# Altium PCB SPEC-A7.PcbDoc (part 5 of 10) (continued)
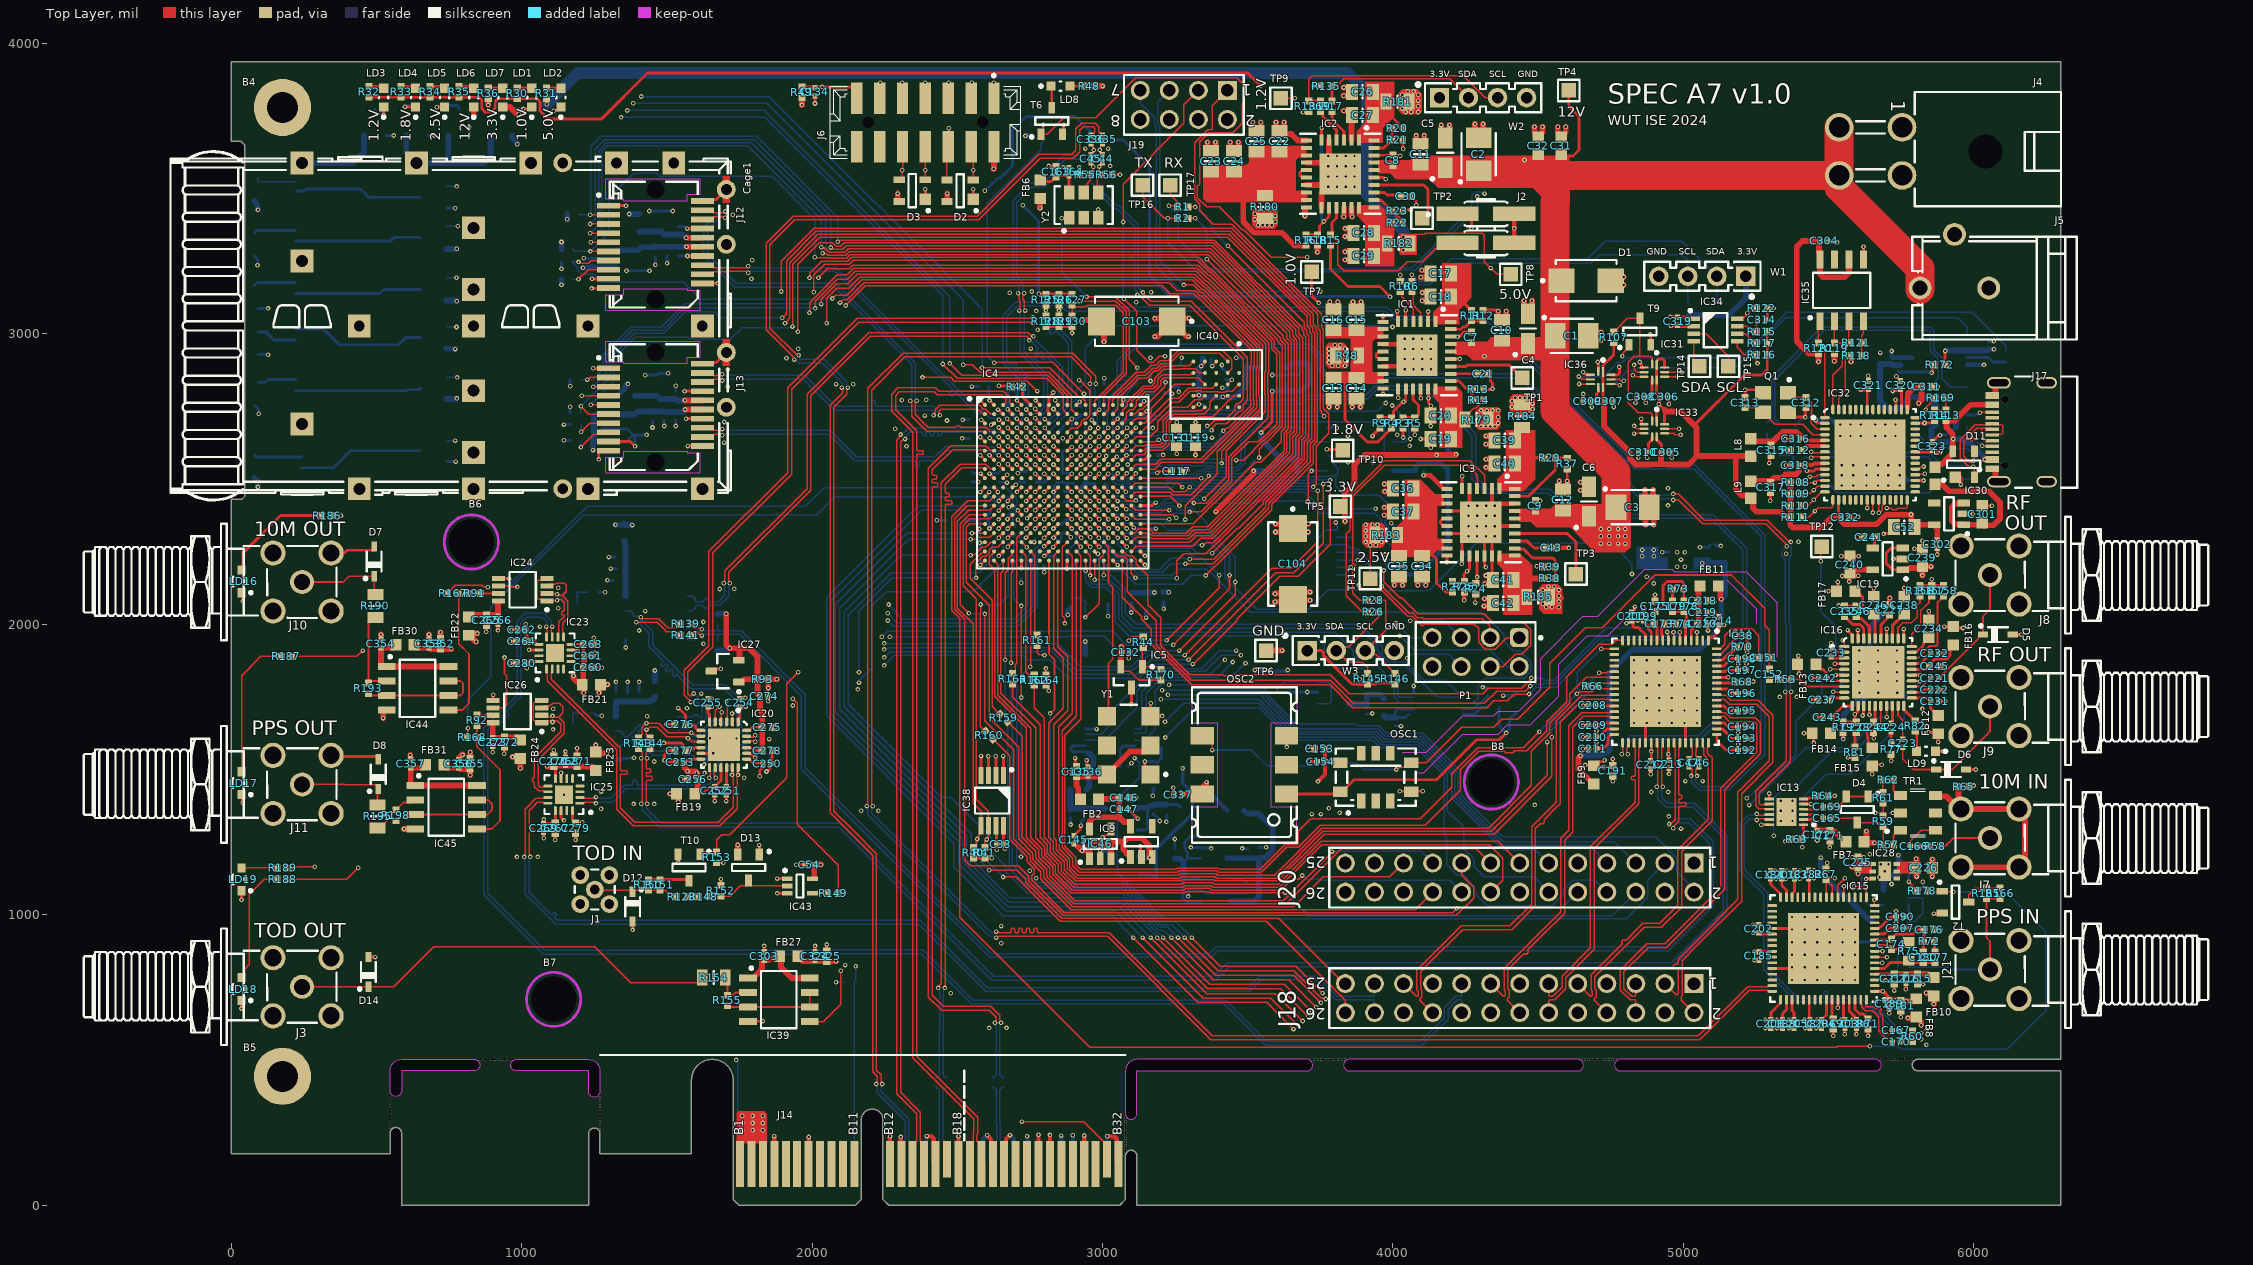
[diagram p0: Top Layer view]
## Nets (pads, with @x,y where several pads share a name; then routed paths per layer and width w, separated by ;. In a path a pad name is that pad's centre, name@x,y a point inside that pad or via, vN(x,y) a via of type N, cw(c..) or ccw(c..) an arc to the next point about the centre after c; other vN are vias at no path point) (continued)
 v1(5748.26,647.12) C181.1@5748.26,669.4 ; IC16.31@5758.58,1951.14 v1(5758.58,1983.58) ; C207.1@5759.41,953.82 v1(5780.63,953.82) ; C190.1@5759.41,993.82 5759.98,994.39 5775.02,994.39 v1(5775.59,994.96) ; C238.1@5760,2094.53 v1(5760,2125) ; v1(5765.63,743.82) C216.1@5765.63,765.04 ; v1(5775.59,1114.17) 5776.69,1113.07 5776.69,1111.1 5804.33,1083.46 R178.1@5804.33,1082.68 ; IC16.25@5786.14,1825.16 v1(5814.84,1825.16) ; v1(5795.28,2259.84) 5820.81,2259.84 C239.1@5822.89,2257.76 v1(5822.89,2288.23) ; IC32.41@5798.08,2691.97 5828.99,2691.97 v1(5830,2692.98) 5850.76,2692.98 5852.02,2694.24 5857.4,2694.24 R114.1@5863.82,2700.65 ; C215.1@5805.63,761.1 5806.19,760.54 5824.5,760.54 v1(5825.06,759.98) ; R156.2@5815,2133.5 R157.2@5855,2133.5 ; C234.1@5845,2014.53 v1(5845,2045) ; C311.1@5854.78,2818.54 5855.02,2818.3 5875.39,2818.3 v1(5875.64,2818.05) ; v1(5855,2155) R157.2@5855,2133.5 ; C323.1@5857.06,2631.26 5857.97,2632.17 5860.92,2632.17 5878.26,2649.51 5882.07,2649.51 v1(5883.17,2650.61) ; v1(5862.2,1003.94) 5863.19,1004.92 5890.75,1004.92 T2.2@5891.73,1005.91 ; C176.1@5863.35,948.82 v1(5885.63,948.82) ; LD9.1@5867.43,1562.64 v1(5894.52,1562.64) ; v1(5874.02,2240.16) C302.1@5874.02,2261.81 ; C231.1@5878.78,1735 5878.82,1735.04 v1@5897.63,1735.04 ; C232.1@5878.78,1900 v1(5900,1900) ; C245.1@5882.72,1855 5889.04,1861.32 5899.94,1861.32 v1(5901.04,1862.42) ; R158.2@5895,2133.5 R157.2@5855,2133.5 ; v1(5955,2480.98) 5955,2507.23 5955.47,2507.7 ; IC30.2@5965.54,2380.31 5965.85,2380 5996.34,2380 v1(5996.65,2379.69) ; D6.2@5972.44,1500 v1(6006.26,1500) ; R65.1@5983.07,1440.94 5987,1444.88 v1(5999.99,1444.88) ; C301.1@6029.19,2410.53 6032.04,2407.68 v1(6062.05,2407.68) ; J17.2@6063.39,2817.93 6076.95,2831.5 J17.2@6086.02,2831.5 ; D5.2@6133.86,1964.57 v1(6162.68,1964.57)
  Top Layer w15: J14.B4@1870.08,141.73 v1(1870.08,237.9) ; J14.B7@1988.19,141.73 v1(1988.19,234.79) ; J14.B12@2267.72,141.73 2267.72,236.61 2268.36,237.25 v1(2268.36,237.45) ; v1(2304.9,235.07) 2305.05,234.93 2305.05,143.78 J14.B13@2307.09,141.73 ; v1(2395,237.98) 2395.14,237.83 2410.28,237.83 2418.92,229.19 2418.92,148.01 J14.B16@2425.2,141.73 ; J14.B18@2503.94,141.73 v1(2503.94,236.92) ; v1(2602.59,240.76) 2602.59,240.55 2615.77,227.37 2615.77,212.99 2622.05,206.71 J14.B21@2622.05,141.75 ; J14.B22@2661.42,141.75 2667.7,148.03 2667.7,227.74 2681.25,241.29 v1(2681.25,241.49) ; J14.B25@2779.53,141.77 v1(2779.53,242.51) ; J14.B26@2818.9,141.78 v1(2818.9,241.88) ; J14.B29@2937.01,141.79 v1(2937.01,239.99) ; v1(3015.75,237.23) 3040.06,237.23 3048.84,228.44 3048.84,148.09 J14.B32@3055.12,141.81 ; C131.1@3255,2674.47 v1(3255,2695.63) ; IC1.13@3965.68,2887.94 4043.93,2887.94 IC1.33@4082.32,2926.32 4043.93,2964.71 IC1.10@3965.68,2964.71 ; v1(4105,2512.98) 4105.14,2512.83 4128.25,2512.83 4174.6,2466.48 IC3.7@4185.68,2466.48 ; v1(4245,2082.98) R25.1@4245,2104.47 ; IC3.33@4263.62,2390.03 IC3.5@4263.62,2467.96 ; IC3.33@4315.11,2338.53 IC3.27@4418.95,2338.53 ; IC3.2@4341.02,2467.96 4341.02,2390.03 4366.29,2415.3 IC3.30@4418.95,2415.3 ; J2.4@4417.44,3312.98 v1(4417.44,3362.98) J2.2@4417.44,3412.98 ; C9.1@4490,2425.69 v1(4507.28,2425.69) ; v1(4495,2199.47) 4495.14,2199.33 4520.15,2199.33 R39.1@4521.5,2197.98 ; 4576.5,2262.98 v1(4605,2262.98)
  Top Layer w20: C354.1@515.75,1946.85 v1(515.75,1964.57) ; v1(523.62,1677.17) 523.62,1702.72 525.43,1704.53 IC44.4@535.43,1704.53 ; v1(594.69,1295.08) IC45.4@633.86,1295.08 ; v1(616.52,1549.59) 616.52,1535.06 C357.1@618.11,1533.46 ; C353.1@681.1,1946.85 v1(681.1,1964.57) ; C352.1@720.47,1950.79 v1(720.47,1972.44) ; C356.1@783.46,1533.46 783.46,1539.02 795.63,1551.18 v1(796.65,1551.18) ; C355.1@822.83,1537.4 v1(822.83,1559.05) ; v1(835,3747.98) LD6.1@835,3780.5 ; LD7.1@935,3780.5 960.65,3780.47 983.14,3757.98 v1(990,3757.98) ; v1(2935,3047.98) 2990.98,3047.98 C103.2@2995.95,3043 3005,3033.95 v1(3005,2972.98) ; v1(3361.18,3659.49) 3361.18,3640.59 3371.85,3629.92 C23.1@3374.02,3629.92 C23.1@3376.18,3629.92 ; C23.1@3378.35,3629.92 3389.02,3640.59 v1(3389.02,3659.49) ; v1(3439.92,3659.49) 3439.92,3640.59 3450.59,3629.92 C24.1@3452.76,3629.92 C24.1@3454.92,3629.92 ; C24.1@3457.09,3629.92 3467.76,3640.59 v1(3467.76,3659.49) ; v1(3517.17,3727.98) 3517.17,3709.08 3527.83,3698.41 C25.1@3530,3698.41 C25.1@3532.17,3698.41 ; C25.1@3534.33,3698.41 3545,3709.08 v1(3545,3727.98) ; TP6.1@3562.99,1909.45 v1(3617.99,1909.45) ; v1(3593.65,2077.76) 3612.54,2077.76 3623.21,2088.42 C104.2@3623.21,2092.76 ; v1(3593.65,2105.59) 3612.54,2105.59 C104.2@3623.21,2094.92 ; v1(3597.17,3727.98) 3597.17,3709.08 3607.83,3698.41 C22.1@3610,3698.41 ; C22.1@3612.17,3698.41 C22.1@3610,3698.41 ; C22.1@3614.33,3698.41 3625,3709.08 v1(3625,3727.98) ; C104.2@3685,2093.65 3695.67,2082.98 v1(3714.57,2082.98) ; C104.2@3685,2095.81 3685,2100.14 3695.67,2110.81 v1(3714.57,2110.81) ; v1(3696.85,3405.51) IC2.16@3696.85,3432.35 ; IC2.13@3701.73,3512.39 IC2.33@3779.98,3512.39 ; IC2.10@3701.73,3589.16 IC2.33@3779.98,3589.16 ; IC2.7@3701.73,3665.93 3672.05,3665.93 3650.11,3687.87 3620.54,3687.87 C22.1@3610,3698.41 ; v1(3739.77,3281.23) 3739.77,3304.24 R18.1@3740,3304.47 ; IC2.17@3754.07,3434.14 3754.07,3486.48 IC2.33@3779.98,3512.39 ; IC2.5@3779.67,3667.41 3779.67,3589.47 IC2.33@3779.98,3589.16 ; v1(3780,2747.98) 3780,2766.88 C13.1@3790.67,2777.54 ; v1(3782.17,3110.1) 3782.17,3094.08 3792.83,3083.41 C16.1@3795,3083.41 C16.1@3797.17,3083.41 ; C13.1@3792.83,2777.54 C13.1@3795,2777.54 3797.17,2777.54 3807.83,2766.88 v1(3807.83,2747.98) ; C16.1@3799.33,3083.41 3810,3094.08 v1(3810,3110.1) ; v1(3830,3402.98) 3831.16,3404.14 IC2.20@3831.16,3434.14 ; v1(3830,3767.98) 3848.9,3767.98 C27.1@3859.57,3757.31 ; v1(3830,3820.14) 3848.9,3820.14 3859.57,3830.81 C26.1@3859.57,3832.98 C26.1@3859.57,3835.14 ; v1(3830,3847.98) 3848.9,3847.98 C26.1@3859.57,3837.31 ; v1(3835,3255.14) 3853.9,3255.14 3864.57,3265.81 C29.1@3864.57,3267.98 C29.1@3864.57,3270.14 ; v1(3835,3282.98) 3853.9,3282.98 C29.1@3864.57,3272.31 ; v1(3835,3335.14) 3853.9,3335.14 3864.57,3345.81 C28.1@3864.57,3347.98 C28.1@3864.57,3350.14 ; v1(3835,3362.98) 3853.9,3362.98 C28.1@3864.57,3352.31 ; IC2.21@3857.07,3434.14 3857.07,3405.91 v1(3860,3402.98) ; IC2.2@3857.07,3667.41 3857.07,3750.48 C27.1@3859.57,3752.98 C27.1@3859.57,3755.14 ; v1(3860,2747.98) 3860,2766.88 C14.1@3870.67,2777.54 ; v1(3862.17,3110.1) 3862.17,3094.08 3872.83,3083.41 C15.1@3875,3083.41 C15.1@3877.17,3083.41 ; C14.1@3872.83,2777.54 C14.1@3875,2777.54 3877.17,2777.54 3887.83,2766.88 v1(3887.83,2747.98) ; C15.1@3879.33,3083.41 3890,3094.08 v1(3890,3110.1) ; v1(3970,2375.14) 3988.9,2375.14 3999.57,2385.81 C37.1@3999.57,2387.98 C37.1@3999.57,2390.14 ; v1(3970,2402.23) 3988.9,2402.23 3988.9,2402.98 C37.1@3999.57,2392.31 ; v1(3970,2482.98) 3988.9,2482.98 C36.1@3999.57,2472.31 ; v1(3971.22,2457.49) 3988.9,2457.49 3988.9,2455.14 3999.57,2465.81 C36.1@3999.57,2467.98 C36.1@3999.57,2470.14 ; v1(4005,2134.36) 4005,2153.25 C35.1@4015.67,2163.92 ; C35.1@4017.83,2163.92 C35.1@4020,2163.92 4022.17,2163.92 4032.83,2153.25 v1(4032.83,2134.36) ; v1(4080,3682.98) 4080,3664.08 4090.67,3653.41 C11.1@4095,3653.41 ; v1(4085,2134.36) 4085,2153.25 C34.1@4095.67,2163.92 ; v1(4095.38,3194.36) 4114.28,3194.36 4124.95,3205.03 C17.1@4124.95,3209.36 ; C11.1@4097.17,3653.41 4107.83,3664.08 v1(4107.83,3682.98) ; C34.1@4097.83,2163.92 C34.1@4100,2163.92 4102.05,2163.92 4112.72,2153.25 v1(4112.72,2134.47) ; v1(4098.79,3218.78) 4118.9,3218.78 4124.95,3212.73 C17.1@4124.95,3211.52 ; v1(4100.38,3114.36) 4119.28,3114.36 4129.95,3125.03 C18.1@4129.95,3129.36 ; v1(4100.38,3142.19) 4119.28,3142.19 C18.1@4129.95,3131.52 ; v1(4166.38,3718.77) 4166.38,3699.88 4177.05,3689.21 C5.2@4181.38,3689.21 ; C5.2@4183.54,3689.21 4194.21,3699.88 v1(4194.21,3718.77) ; IC3.33@4262.47,2386 4301.17,2347.3 IC3.33@4290.55,2336.68 ; IC3.33@4262.79,2308.91 IC3.33@4290.55,2336.68 ; v1(4282.17,3722.54) 4282.17,3703.65 4292.83,3692.98 C2.2@4297.17,3692.98 ; v1(4289.25,2337.98) IC3.33@4290.55,2336.68 ; C2.2@4299.33,3692.98 4310,3703.65 v1(4310,3722.54) ; v1(4313.33,2062.62) 4333.9,2062.62 4333.9,2060.14 4344.57,2070.81 C42.1@4344.57,2072.98 C42.1@4344.57,2075.14 ; v1(4315,2087.98) 4333.9,2087.98 C42.1@4344.57,2077.31 ; v1(4315.67,2140.2) 4334.57,2140.2 4345.24,2150.87 C41.1@4345.24,2155.2 ; v1(4320,2540.14) 4338.9,2540.14 4349.57,2550.81 C40.1@4349.57,2552.98 C40.1@4349.57,2555.14 ; v1(4320,2567.98) 4338.9,2567.98 C40.1@4349.57,2557.31 ; v1(4320,2620.14) 4338.9,2620.14 4349.57,2630.81 C39.1@4349.57,2632.98 C39.1@4349.57,2635.14 ; v1(4320,2647.98) 4338.9,2647.98 C39.1@4349.57,2637.31 ; v1(4320.27,2168.04) 4334.57,2168.04 4341.02,2161.59 C41.1@4345.24,2157.37 ; v1(4362.17,3077.98) 4362.17,3059.08 4372.83,3048.41 C10.1@4375,3048.41 C10.1@4377.17,3048.41 ; C10.1@4379.33,3048.41 4390,3059.08 v1(4390,3077.98) ; v1(4450.93,3114.24) 4450.93,3095.34 4461.6,3084.67 C4.2@4465.93,3084.67 ; C4.2@4468.1,3084.67 4478.77,3095.34 v1(4478.77,3114.24) ; v1(4487.17,3712.98) 4487.17,3694.08 4497.83,3683.41 C32.1@4502.17,3683.41 ; C32.1@4504.33,3683.41 4515,3694.08 v1(4515,3712.98) ; v1(4567.17,3712.98) 4567.17,3694.08 4577.83,3683.41 C31.1@4582.17,3683.41 ; v1(4572.17,2492.98) 4572.17,2474.08 4582.83,2463.41 C12.1@4585,2463.41 C12.1@4587.17,2463.41 ; C31.1@4584.33,3683.41 4595,3694.08 v1(4595,3712.98) ; C12.1@4589.33,2463.41 4600,2474.08 v1(4600,2492.98) ; v1(4645.43,2461.32) 4664.33,2461.32 4675,2471.99 C6.2@4675,2474.16 C6.2@4675,2476.32 ; v1(4645.43,2489.16) 4664.33,2489.16 C6.2@4675,2478.49 ; C1.2@4687.43,2988.28 4698.1,2977.61 v1(4716.99,2977.61) ; C1.2@4687.43,2990.45 4687.43,2994.78 4698.1,3005.45 v1(4716.99,3005.45) ; D1.2@4765,3178.65 4775.67,3167.98 v1(4794.57,3167.98) ; D1.2@4765,3180.81 4765,3185.14 4775.67,3195.81 v1(4794.57,3195.81) ; v1(4867.53,2463.03) 4867.53,2443.99 4878.2,2433.32 4882.09,2433.32 C3.2@4882.53,2433.32 ; v1(4869.63,2342.6) 4869.63,2361.97 C3.2@4880.3,2372.64 ; C3.2@4882.47,2372.64 4886.8,2372.64 4897.47,2361.97 v1(4897.47,2342.6) ; C3.2@4884.7,2433.32 4895.37,2443.99 v1(4895.37,2463.03) ; C227.1@5710,2067.72 v1(5710,2090) ; v1(5856.77,1131.45) C226.1@5856.77,1161.92 5857.17,1162.32 v1(5857.17,1190.86) ; J17.A1-B12@6063.39,2535.43 6072.89,2535.43 6074.7,2533.62 6074.7,2500.29 6083.65,2491.34 J17.1@6086.02,2491.34 ; J17.B1-A12@6074.7,2796.35 J17.2@6074.7,2829.68 ; IC2.33@3779.98,3512.39 IC2.33@3818.37,3550.77 IC2.33@3779.98,3589.16
  Bottom Layer w5: v1(2082.55,767.98) R104.1@2111.5,767.98 ; v1(3087.03,2550.22) 3087.03,2549.76 C71.1@3087.28,2549.52
  Bottom Layer w6: C83.1@3258,2889.5 3259.37,2889.5 3272.12,2902.24 v1(3272.12,2917.5) ; v1(3332,2757.06) 3352.11,2757.06 C326.1@3355,2754.2 ; IC47.2@3348.43,1082.68 3358.27,1072.83 C339.1@3496.06,1072.83 ; R54.1@3744.09,2298.03 3744.88,2298.03 3753.3,2306.45 3753.3,2307.24 3770.87,2324.8 IC17.7@3807.09,2324.8 3807.09,2343.82 3803.15,2347.76 v3(3803.15,2350.39) ; v1(5352.94,2547.41) 5354.8,2545.55 5354.8,2536.64 5370.31,2521.13 5370.6,2521.13 C333.2@5385.83,2505.91 ; C334.1@5381.89,2681.1 5411.9,2711.11 5418.13,2711.11 v1(5420,2712.98)
  Bottom Layer w10: T7.2@741.18,3432.76 v1(770.98,3432.76) ; T8.2@741.46,2560.16 v1(773.58,2560.16) ; v1(1137.13,3224.06) R98.1@1137.13,3247.56 ; v1(1145.63,2687.56) R103.1@1167.13,2687.56 ; v1(1213.35,3260.28) C282.1@1275.63,3260.28 ; R199.1@1250.79,1692.91 1250.79,1692.56 1257.2,1686.14 1274.49,1686.14 v1(1275.59,1685.04) ; R194.1@1266.54,2110.24 v1(1287.4,2110.24) ; C289.1@1274.41,2672.56 1363.31,2672.56 C291.1@1383.74,2652.13 ; C290.1@1283.35,2627.56 1359.17,2627.56 C291.1@1383.74,2652.13 ; v1(1295.34,2151.41) C247.1@1316.95,2151.41 ; v1(1300.08,2231.42) C249.1@1321.95,2231.42 ; v1(1306.93,2191.7) 1307.07,2191.56 1325.74,2191.56 C248.1@1325.89,2191.42 ; C257.1@1324.67,1769.13 v1(1324.67,1801.42) ; IC22.5@1342.07,1531.42 IC22.5@1323.37,1531.42 1330.18,1538.23 1365,1538.23 1365.68,1538.91 1385.72,1538.91 v1(1386.82,1540.01) ; v1(1358.37,1920.12) IC21.5@1358.37,1946.42 ; v1(1361.06,3217.13) v1(1440.2,3217.13) ; C258.1@1364.67,1765.2 v1(1364.67,1801.42) ; v1(1390.63,2612.56) C291.1@1390.63,2652.13 ; C259.1@1404.67,1769.13 v1(1404.67,1801.42) ; v1(1425.58,2857.66) 1465.3,2857.66 1471.63,2864 v1(1505.2,2864) ; v1(1430.2,2652.13) C291.1@1390.63,2652.13 ; v1@1436.06,3422.99 v1(1439.25,3422.99) v1(1520.2,3422.99) ; v1(1450.63,2677.56) C292.1@1450.63,2699.84 ; v1(1460.63,3237.56) C284.1@1460.63,3264.84 ; v1(1490.63,2682.56) C293.1@1490.63,2703.78 ; v1(1500.63,3242.56) C285.1@1500.63,3268.78 ; v1(1530.63,2682.56) C294.1@1530.63,2703.78 ; C296.1@1530.63,2801.34 v1(1530.63,2821.12) ; C288.1@1539.39,3369.48 1562.04,3369.48 1569.04,3362.48 v1(1570.55,3362.48) ; C286.1@1540.63,3268.78 1541.02,3268.39 1570.67,3268.39 v1(1571.06,3267.99) ; v1(2429.05,2357.98) C68.1@2463.5,2357.98 ; v1(2516.98,2639.96) C62.1@2541.21,2639.96 ; v1(2517.99,2704.63) 2518.17,2704.81 2541.03,2704.81 C63.1@2541.21,2704.99 ; C84.1@2550,2525.69 2555.69,2520.01 2578.88,2520.01 v1(2579.98,2518.91) ; v1(2550,2818.37) 2550.2,2818.18 2572.09,2818.18 C67.1@2572.28,2817.98 ; v1(2579.29,2203.76) 2579.43,2203.9 2579.43,2228.69 C89.1@2579.56,2228.82 ; C69.1@2603.78,2357.98 2603.78,2377.03 2614.2,2387.45 C87.1@2615.18,2387.45 ; C69.1@2608.62,2353.14 2609.69,2352.07 2609.69,2330.85 v1(2610.79,2329.75) ; v1(2610.79,2518.91) 2611.89,2520.01 2639.31,2520.01 C85.1@2645,2525.69 ; C93.1@2698.86,2337.47 2698.86,2338.45 2690.75,2346.55 2690.75,2377.18 2691.24,2377.18 2706.03,2391.96 v1(2707.59,2391.96) ; v1(2700.79,2480.32) 2700.79,2480.66 2709.3,2489.17 L1.2@2734.5,2489.17 ; v1(2705.28,2770.69) 2705.89,2771.31 2705.89,2810.64 C56.1@2708.23,2812.98 ; v1(2719.75,2143.23) C97.1@2719.75,2157.6 ; v1(2764.26,2282.98) 2765.36,2284.08 2765.36,2289.07 C98.1@2768.77,2292.48 ; v1(2798.89,2179.09) C90.1@2798.89,2201.56 ; v1(2831.26,2298.25) 2832.36,2297.15 2837.85,2297.15 2850.51,2284.49 C86.1@2851.5,2284.49 2852.48,2284.49 2857.85,2289.86 2857.85,2308.82 C108.1@2865.05,2316.02 ; v1(2831.26,2424.24) 2832.36,2425.34 2832.36,2454.63 v1(2831.26,2455.73) 2832.36,2456.83 2832.36,2475.34 2845.49,2488.47 2858.61,2488.47 C106.1@2862.01,2491.87 ; v1(2831.26,2644.71) 2833.07,2644.71 2835.19,2646.84 2835.19,2648.64 2861.38,2674.83 2861.38,2679.12 2865.24,2682.98 C78.1@2866.22,2682.98 ; C106.1@2862.01,2490.89 2865.87,2487.03 2866.85,2487.03 2868.47,2485.41 C109.1@2899.53,2485.41 ; R147.2@2867.32,2421.58 2868.87,2423.14 2893.15,2423.14 v1(2894.25,2424.24) ; v1(2877.14,2191.89) 2878.24,2192.99 2889.13,2192.99 2914.78,2218.64 C95.1@2914.78,2219.62 ; v1(2885.8,1492.14) 2887.35,1492.14 2893.09,1486.4 C137.1@2926.1,1486.4 ; v1(2889.88,1310.57) C143.1@2889.88,1333.84 ; v1(2920.82,2765.77) 2921.92,2764.67 2921.92,2751.11 C76.1@2925.62,2747.41 ; v1(2925.19,1307.08) 2925.19,1308.64 2927.68,1311.13 2927.68,1321.48 C142.1@2934.88,1328.69 ; IC7.5@2940.24,1640.77 2940.96,1640.05 2978.75,1640.05 v3(2979.48,1639.32) ; C144.1@2970.47,1251.97 2991.03,1231.41 2991.03,1222.07 v3(2992.13,1220.97) 2993.68,1220.97 2996.82,1217.83 3016.42,1217.83 C338.1@3023.62,1210.63 ; v1(2984.28,2242.9) 2985.38,2241.8 2985.38,2227.83 3010.24,2202.98 C88.1@3011.22,2202.98 ; C74.1@3005.51,2826.76 v1(3005.51,2847.47) ; C110.1@3008.92,2485 3016.12,2477.8 3016.12,2461.4 3020.24,2457.29 v1(3020.24,2455.73) ; IC37.4@3018.39,2069.59 3019.04,2068.94 3019.04,2028.21 v1(3019.68,2027.56) ; v1(3051.73,2707.7) 3052.83,2708.8 3052.83,2714.84 3060.77,2722.78 C75.1@3060.77,2728.23 ; C138.1@3088.66,1511.4 3089.65,1511.4 v1(3099.72,1521.48) ; IC8.2@3105.8,1330.16 3106.72,1331.08 v1(3121.07,1331.08) ; C79.1@3128.78,2772.98 3132.64,2769.12 3139.8,2769.12 3141.44,2767.47 v1(3143,2767.47) ; C73.1@3156.26,2676.1 v1(3173.08,2676.12) ; C96.1@3163.78,2422.98 3166.66,2420.1 3182,2420.1 v1(3183.1,2419) ; C82.1@3165.11,2895.18 v1(3165.11,2917.46) ; C91.1@3166.26,2329.62 v1(3183.35,2329.62) ; v1(3173.23,1409.45) 3173.23,1433.33 3176.3,1436.4 C139.1@3179.88,1436.4 ; C141.1@3174.88,1347.62 3174.88,1346.64 3195.74,1325.78 3195.74,1323.93 v1(3196.84,1322.83) ; C81.1@3212.72,2797.98 3215.59,2795.1 3237.9,2795.1 v1(3239,2794) ; v1(3219.88,1320.41) C140.1@3219.88,1343.69 ; C159.1@3248.03,1230.31 3248.61,1230.89 3248.61,1260.09 v1(3249.19,1260.67) ; v1@3294.02,2530.5 v1(3294.02,2532.39) ; v1(3295.28,1062.99) C160.1@3295.28,1088.58 3298.23,1085.63 3335.63,1085.63 IC47.2@3338.58,1082.68 IC47.2@3348.43,1082.68 ; v1(3304.29,1231.77) IC12.2@3335.85,1231.77 3338.18,1229.45 3372.92,1229.45 v1(3374.02,1228.35) ; C327.1@3373.78,2915 3373.78,2895.86 3378,2891.64 v1(3378,2889) ; v1(3412.78,2814.21) 3413.88,2813.11 3431.67,2813.11 C328.1@3435,2809.78 ; C80.1@3423,2842.22 3423.11,2842.11 3444.89,2842.11 v1(3445,2842) ; v1(3460.02,2917.41) 3490.25,2917.41 C330.1@3492.13,2919.29 ; v1(3480.32,1228.35) 3481.41,1227.25 3497.31,1227.25 C162.1@3499,1225.55 ; C161.1@3539,1229.49 3540.7,1231.18 3561.89,1231.18 v1(3562.99,1232.28) ; v1(3584,2858.27) 3584.46,2857.81 3629.21,2857.81 IC41.2@3629.66,2857.35 3632.54,2860.23 3673.9,2860.23 C329.1@3681.65,2867.98 ; C155.1@3645.67,1769.69 3648.62,1766.73 v3(3704.72,1766.73) 3739.17,1766.73 IC11.2@3742.13,1763.78 ; IC6.4@3776.14,2678.02 3777.2,2676.96 3805.32,2676.96 v1(3806.38,2675.89) ; v3(3885.91,1811.02) 3887.01,1809.92 3892.83,1809.92 C157.1@3909.45,1793.31 ; C158.1@3909.45,1690.94 3910.43,1691.93 3928.15,1691.93 v3(3929.13,1692.91) ; C148.1@4007.87,1651.57 4008.86,1650.59 4026.57,1650.59 v1(4027.56,1649.61) ; v3(4070.87,1787.4) 4070.87,1768.62 4071.77,1767.72 IC10.5@4072.83,1767.72 ; C133.1@4103.78,2527.98 4104.39,2527.37 4104.39,2513.59 v1(4105,2512.98) ; v1(4308.45,1782.47) 4308.87,1782.05 4326.43,1782.05 C149.1@4326.85,1781.63 ; v1(4379.7,1754.47) 4415.89,1754.47 C150.1@4425.2,1763.78 ; v1@4873.31,2163.41 C229.1@4897.64,2163.39 4897.75,2163.27 4897.75,2140.48 v1(4897.87,2140.37) ; v1@4925.61,2248.45 v1(4927.21,2248.45) IC18.3@4950.3,2248.45 ; v1(5057.1,2265.3) 5083.74,2265.3 5083.74,2263.91 C230.1@5092.56,2272.73 ; C230.1@5108.44,2275.62 5113.11,2270.95 5113.11,2269.67 v1(5128.68,2269.67) ; v2(5590.55,905.51) 5591.54,906.5 5646.65,906.5 D16.1@5647.64,907.48 ; v1(5659.88,1350.39) C168.2@5681.1,1350.39 ; IC42.1@5772.96,1084.33 5814.69,1084.33 5823.35,1093 R177.1@5824.14,1093 v1(5824.14,1113.86) ; v1(5775.59,994.96) IC42.3@5775.59,1033.46 ; v1(5775.59,1114.17) C351.1@5775.59,1137.8 ; v1(5780.63,953.82) 5809.96,953.82 5817.99,945.79 5825.87,945.79 5830.71,940.94 D15.2@5830.71,933.07 ; v1(5822.83,1708.66) R76.2@5822.83,1733.46 ; v1(5883.17,2650.61) 5884.27,2651.71 5904.96,2651.71 5911.04,2657.8 5915.67,2657.8 5938.19,2680.31 R105.2@5938.19,2681.1 ; C291.1@1383.74,2652.13 C291.1@1390.63,2652.13
  Bottom Layer w15: J14.A4@1870.08,141.73 v1(1870.08,237.9) ; J14.A12@2267.72,141.73 2267.72,236.61 2268.36,237.25 v1(2268.36,237.45) ; J14.A15@2385.83,141.73 2392.11,148.01 2392.11,235.09 v1(2395,237.98) ; J14.A18@2503.94,141.73 v1(2503.94,236.92) ; J14.A20@2582.68,141.74 2588.96,148.02 2588.96,226.93 2602.59,240.55 v1(2602.59,240.76) ; v1(2681.25,241.49) 2681.25,241.29 2694.51,228.03 2694.51,148.04 J14.A23@2700.79,141.76 ; J14.A24@2740.16,141.77 v1(2740.16,237.82) ; J14.A27@2858.27,141.78 v1(2858.27,239.71) ; J14.A28@2897.64,141.79 v1(2897.64,240.62) ; J14.A31@3015.75,141.8 v1(3015.75,237.23) ; v1(3098.43,2040.55) C100.1@3098.43,2072.83 ; v1(3150,2022.98) C102.1@3150,2046.48 ; C72.1@3190.44,2581.88 3191.56,2583 3208.76,2583 v1(3208.9,2583.14) ; v1(3210,2052.98) C101.1@3210,2075.26 ; C298.1@5509.84,2704.72 5510.83,2704.72 5527.43,2688.12 5539.86,2688.12 v1(5540,2687.98) ; C300.1@5677.17,2931.1 v1(5677.17,2935.43) ; v1(5716.54,2940.94) C331.1@5716.54,2923.23 5716.54,2922.24 5720.77,2918.01 IC29.13@5787.4,2918.01 ; v1(5745,2512.98) 5745.14,2512.83 5755.87,2512.83 5772.64,2496.06 C297.1@5773.62,2496.06 ; IC29.5@5976.38,2893.01 v1(6034.74,2893.01) ; C299.1@6051.18,2974.41 v1(6068.9,2974.41)
  Bottom Layer w20: Cage1.1@244.09,3588.58 419.29,3588.58 457.6,3626.89 T3.2@457.6,3682.7 ; T4.2@602.6,3682.7 602.6,3626.14 640.16,3588.58 741.26,3588.58 ; T11.2@741.18,3292.56 v1(776.18,3292.56) ; T14.2@741.46,2775.16 742.26,2775.96 774.58,2775.96 v1(776.18,2777.56) ; T13.2@741.46,2950.16 743.27,2948.35 770.39,2948.35 v1(771.18,2947.56) ; T12.2@741.46,3115.16 742.35,3114.26 774.48,3114.26 v1(776.18,3112.56) ; T5.2@747.6,3682.7 747.6,3594.92 741.26,3588.58 ; 894.41,3650.46 894.41,3680.89 T1.2@892.6,3682.7 892.6,3608.98 872.2,3588.58 741.26,3588.58 ; C332.2@4106.3,2155.51 4106.3,2140.89 v1(4112.72,2134.47) ; R105.2@5938.19,2681.1 R106.2@5938.19,2720.47